# Altium PCB ECSE478 - DAQ Device.PcbDoc (part 3 of 4)
Units mil, origin at the board's own origin, x right, y up, seen from the top; angles counter-clockwise.
Board outline 8325 x 4500 mil, 4 copper layers (L1 (Sig), L2 (GND), L3 (GND), L4 (Sig)), stack 23.756 mil thick; 560 components, 359 nets, 1613 pads, 965 vias.
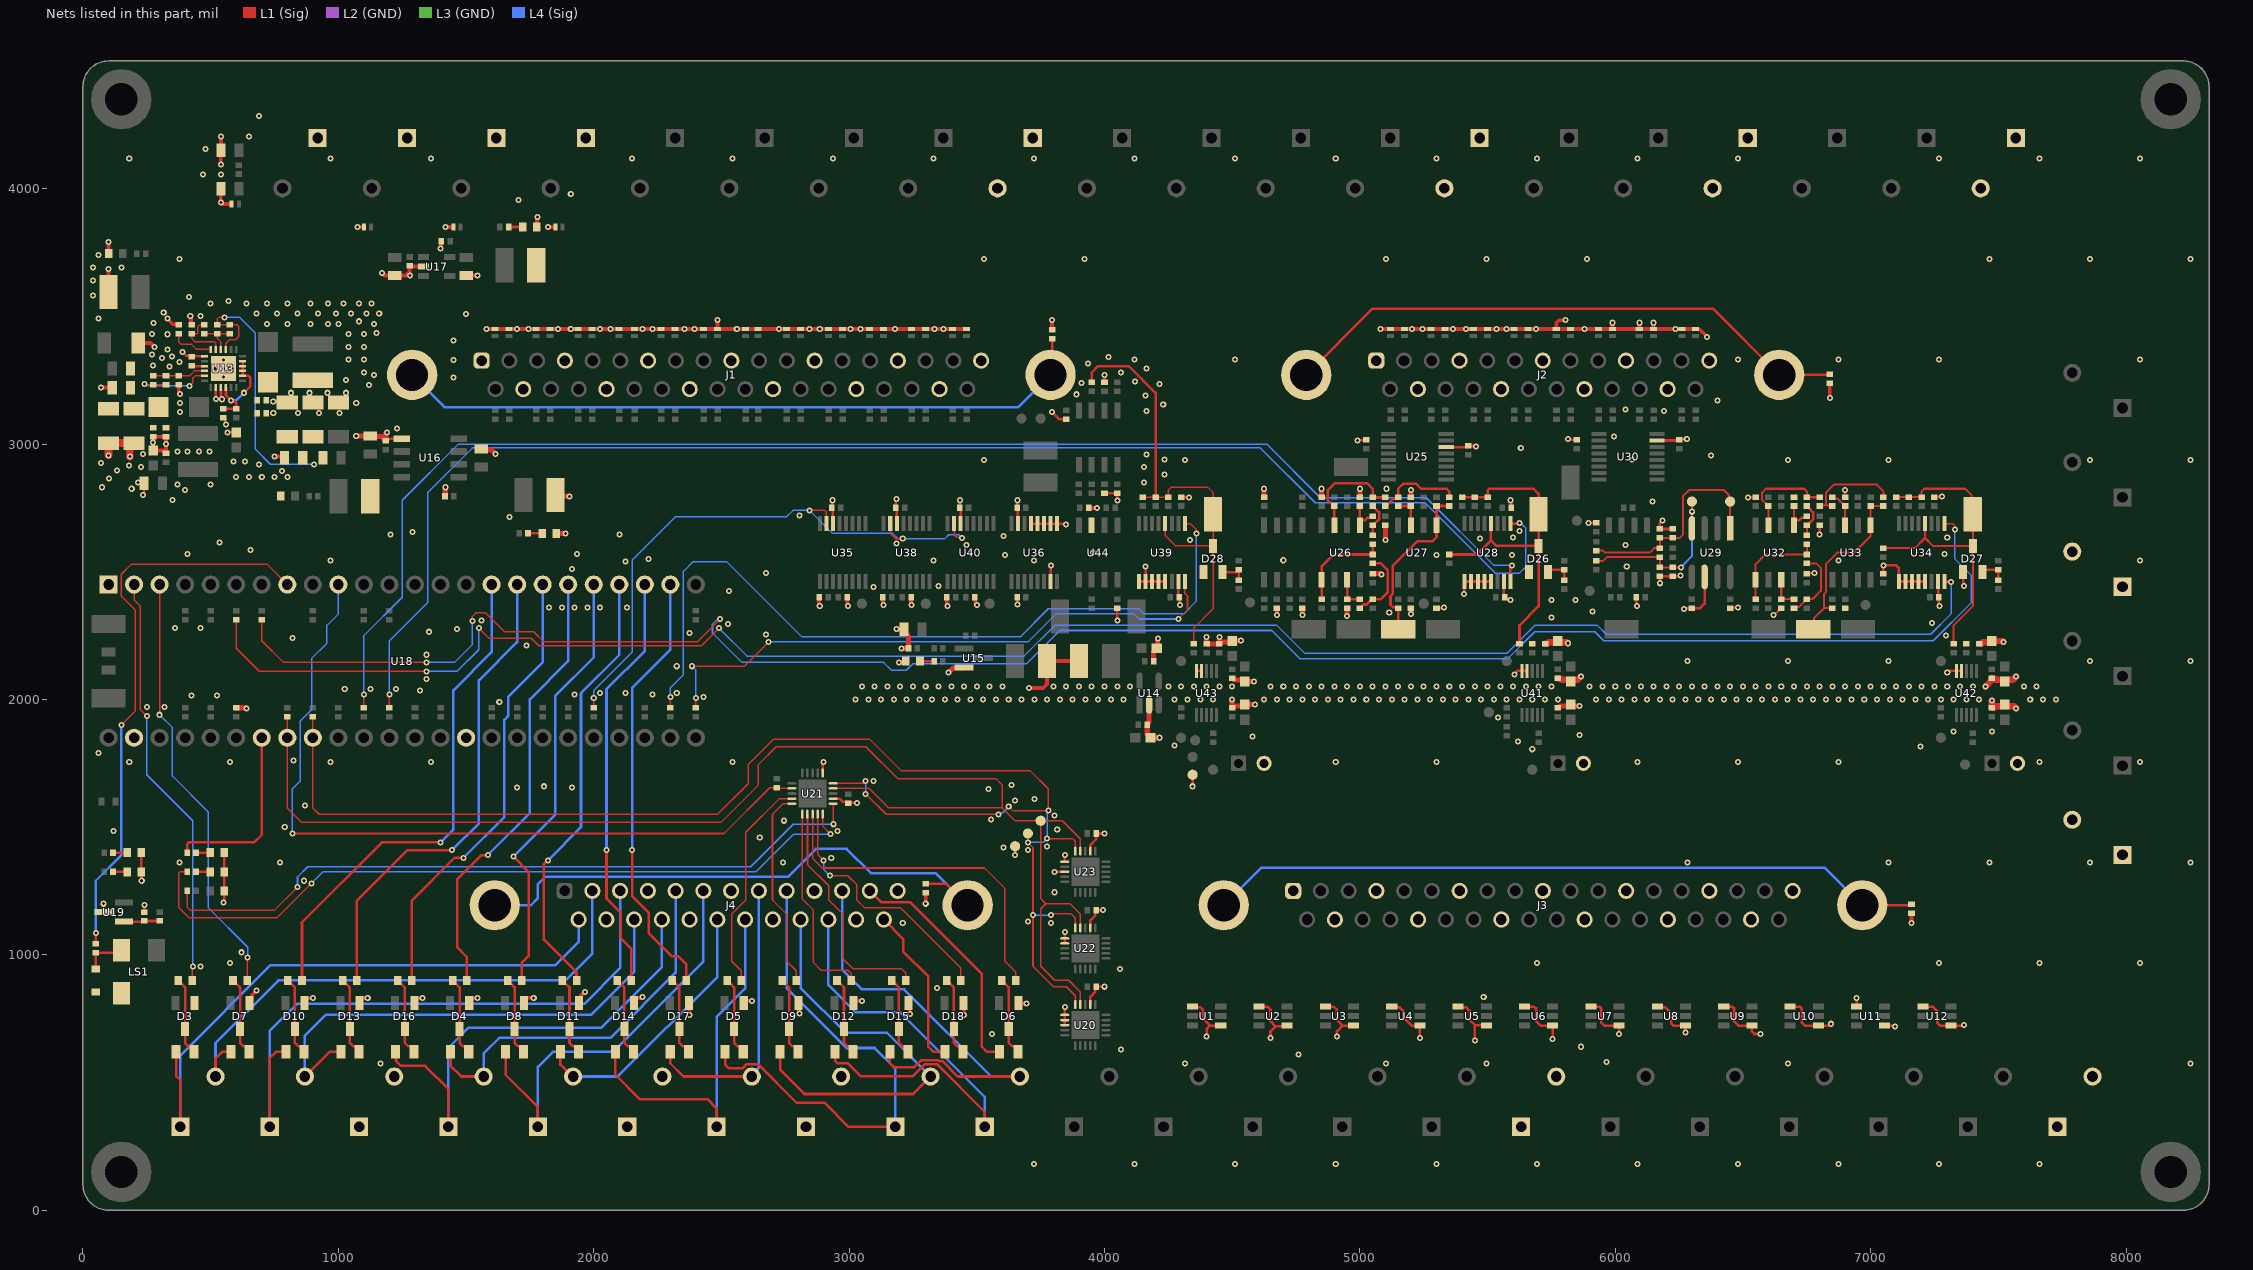
[diagram p5: the nets of this part, all layers, seen from the top]

## Via types
v1: diameter 23.62, hole 11.81, L1 (Sig) to L4 (Sig), tented both sides, 944 vias
v2: diameter 19.68, hole 7.87, L1 (Sig) to L4 (Sig), tented bottom, 16 vias
v3: diameter 23.62/27/27/27 (per signal layer), hole 11.81, L1 (Sig) to L4 (Sig), tented both sides, 3 vias
v4: diameter 23.62/23.62/23.62/27 (per signal layer), hole 11.81, L1 (Sig) to L4 (Sig), tented both sides, 2 vias

## Nets (pads, with @x,y where several pads share a name; then routed paths per layer and width w, separated by ;. In a path a pad name is that pad's centre, name@x,y a point inside that pad or via, vN(x,y) a via of type N, cw(c..) or ccw(c..) an arc to the next point about the centre after c; other vN are vias at no path point) (continued)
AIN_MUX_LS_SE_A2: R135.2 U35.15 U38.15 U40.15 | length 2363.8
  L1 (Sig) w6: R135.2@2000,1967.5 v1(2000,2005) ; v1(2845,2740) 2905,2740 2911.02,2733.98 U35.15@2911.02,2688.19 ; U38.15@3161.02,2688.19 3161.02,2649.66 3180.69,2630 v1(3210,2630) ; U40.15@3411.02,2688.19 3411.02,2643.98 3420,2635 3440,2635 v1(3442.5,2632.5) v1@3445,2630
  L4 (Sig) w6: v1(2000,2005) 2000,2035 2150,2185 2150,2545 2320,2715 2755,2715 2780,2740 v1(2845,2740) 2935,2650 3170,2650 3190,2630 v1(3210,2630) 3375,2630 3390,2645 3430,2645 v1(3442.5,2632.5)
BOOST_VIN: C12.2 R6.2 U13.4 U13.8 U13.9 U13.10 U13.11 | length 378.6
  L1 (Sig) w10: C12.2@550,3138.37 R6.2@600,3138.37 600,3160.87 590,3170.87 v1(580,3170.87) 560,3190.87 560,3209.16 559.92,3209.24 559.92,3220.98 U13.4@559.84,3221.06 ; U13.11@624.8,3324.8 U13.10@624.8,3305.51 U13.9@624.8,3286.22 U13.8@624.8,3266.93 648.94,3266.93 655,3260.87 655,3225.87 v1(630,3200.87)
  L4 (Sig) w10: v1(580,3170.87) 600,3170.87 v1(630,3200.87)
BOOST_VNEG: C13.1 C18.2 C19.2 C20.2 C21.2 D2.2 R7.1 R8.2 R9.2 U13.15 | length 1121.9
  L1 (Sig) w6: v1(555,3495.87) 530.87,3495.87 525,3490 C13.1@525,3467.5 R7.1@575,3467.5 602.5,3467.5 610,3460 610,3421.17 597.72,3408.89 573.89,3408.89 559.84,3394.84 U13.15@559.84,3370.67
  L4 (Sig) w6: v1(555,3495.87) 574,3495.87 574.07,3495.93 613.37,3495.93 675,3434.3 675,2979.3 733.44,2920.87 v1(905,2920.87)
BOOST_VPOS: C1.2 C2.2 C3.2 C4.2 C6.1 D1.1 R1.2 R2.2 R3.1 U13.23 | length 351.2
  L1 (Sig) w6: v1(240,3235) 242.5,3232.5 C6.1@275,3232.5 R3.1@325,3232.5 ; v1(417.61,3227.61) 429.74,3239.74 429.74,3257.89 438.77,3266.93 U13.23@475.2,3266.93
  L4 (Sig) w6: v1(240,3235) 244.77,3235 252.16,3227.61 v1(417.61,3227.61)
BOOST_VREF: C10.1 R5.1 U13.17 | length 223.9
  L1 (Sig) w6: R5.1@475,3467.5 474.22,3466.72 456.72,3466.72 450,3460 450,3436.01 446.49,3432.5 C10.1@425,3432.5 425,3415 440,3400 515,3400 520.47,3394.53 U13.17@520.47,3370.67
Buzzer: R124.1 U18.8 | length 2234.2
  L1 (Sig) w6: v1(150,1900) 205,1955 205,2350 150,2405 150,2490 190,2530 720,2530 U18.8@800,2450
  L1 (Sig) w10: R124.1@50,1042.5 v1(50,1085)
  L4 (Sig) w10: v1(50,1085) 50,1290 150,1390 v1(150,1900)
DEBUG_LED1: R59.2 U18.42 | length 720.5
  L1 (Sig) w10: R59.2@407.5,1400 407.5,1432.5 415,1440 670,1440 700,1470 U18.42@700,1850
DEBUG_LED2: R60.2 U21.15 | length 2966.2
  L1 (Sig) w6: R60.2@407.5,1325 380,1325 375,1320 375,1185 415,1145 760,1145 v1(895,1280) ; U21.15@2896.02,1550.94 2896.02,1503.98 v1(2927.69,1472.31)
  L4 (Sig) w6: v1(895,1280) 940,1325 2635,1325 2782.31,1472.31 v1(2927.69,1472.31)
DEBUG_LED3: R145.2 U21.16 | length 2845
  L1 (Sig) w6: R145.2@407.5,1250 407.5,1187.5 420,1175 750,1175 v1(840,1265) ; U21.16@2937.36,1592.28 2937.36,1512.64 v1(2938.68,1511.32) v1@2940,1510
  L4 (Sig) w6: v1(840,1265) 840,1305 880,1345 2614.44,1345 2780.76,1511.32 v1(2938.68,1511.32)
DIO_1: J4.14 P39.1 R22.1 | length 2411
  L1 (Sig) w10: R22.1@364.57,620 364.57,525.43 381.1,508.9 P39.1@381.1,326.57
  L4 (Sig) w10: P39.1@381.1,326.57 381.1,606.1 735,960 1850,960 1940.51,1050.51 J4.14@1940.51,1138.19
DIO_1_PROT: R26.1 U18.2 | length 1646.3
  L1 (Sig) w6: U18.2@200,2450 200,2390 225,2365 225,1960 v1(250,1935) ; R26.1@427.56,900 427.56,952.56 v1(430,955)
  L4 (Sig) w6: v1(250,1935) 250,1705 430,1525 v1(430,955)
DIO_2: J4.2 P39.2 R30.1 | length 2138.9
  L1 (Sig) w10: P39.2@518.9,523.43 518.9,593.9 545,620 R30.1@579.57,620
  L4 (Sig) w10: P39.2@518.9,523.43 518.9,653.9 765,900 1890,900 1994.84,1004.84 J4.2@1994.84,1250
DIO_2_PROT: R33.1 U18.3 | length 1693.9
  L1 (Sig) w6: v1(300,1940) U18.3@300,2450 ; R33.1@642.56,900 642.56,987.56 v1(645,990)
  L4 (Sig) w6: v1(300,1940) 350,1890 350,1700 490,1560 490,1185 645,1030 v1(645,990)
DIO_3: J4.3 P41.1 R36.1 | length 2493.8
  L1 (Sig) w10: P41.1@731.1,326.57 731.1,596.1 755,620 R36.1@794.57,620
  L4 (Sig) w10: P41.1@731.1,326.57 731.1,701.1 838.19,808.19 1963.19,808.19 2103.5,948.5 J4.3@2103.5,1250
DIO_3_PROT: R39.1 U18.16 | length 1992.3
  L1 (Sig) w10: R39.1@857.56,900 857.56,1127.56 1170,1440 v1(1400,1440)
  L4 (Sig) w10: v1(1400,1440) 1450,1490 1450,2035 1600,2185 U18.16@1600,2450
DIO_4: J4.16 P41.2 R42.1 | length 1938.5
  L1 (Sig) w10: P41.2@868.9,523.43 965.47,620 R42.1@1009.57,620
  L4 (Sig) w10: P41.2@868.9,523.43 868.9,683.9 950,765 1990,765 2157.83,932.83 J4.16@2157.83,1138.19
DIO_4_PROT: R45.1 U18.17 | length 1912.4
  L1 (Sig) w10: R45.1@1072.56,900 1072.56,1212.56 1270,1410 v1(1445,1410)
  L4 (Sig) w10: v1(1445,1410) 1550,1515 1550,2075 1700,2225 U18.17@1700,2450
DIO_5: J4.17 P45.1 R48.1 | length 1896.9
  L1 (Sig) w10: R48.1@1224.57,620 1225.72,618.85 1225.72,584.28 1244.68,565.32 1339.68,565.32 1431.1,473.9 P45.1@1431.1,326.57
  L4 (Sig) w10: P45.1@1431.1,326.57 1431.1,636.1 1510,715 2030,715 2266.5,951.5 J4.17@2266.5,1138.19
DIO_5_PROT: R51.1 U18.18 | length 1782.8
  L1 (Sig) w10: R51.1@1287.56,900 1287.56,1212.56 1455,1380 v1(1490,1380)
  L4 (Sig) w10: v1(1490,1380) 1650,1540 1650,1920 1665,1935 1665,2010 1800,2145 U18.18@1800,2450
DIO_6: J4.5 P45.2 R23.1 | length 1494.1
  L1 (Sig) w10: R23.1@1439.57,620 1439.57,565.43 1481.57,523.43 P45.2@1568.9,523.43
  L4 (Sig) w10: P45.2@1568.9,523.43 1568.9,613.9 1630,675 2065,675 2320.83,930.83 J4.5@2320.83,1250
DIO_6_PROT: R27.1 U18.19 | length 1760.4
  L1 (Sig) w10: R27.1@1502.56,900 1502.56,992.44 1465,1030 1465,1295 1560,1390 v1(1585,1390)
  L4 (Sig) w10: v1(1585,1390) 1750,1555 1750,2000 1900,2150 U18.19@1900,2450
DIO_7: J4.6 P47.1 R31.1 | length 1675.5
  L1 (Sig) w10: R31.1@1654.57,620 1654.57,530.43 1781.1,403.9 P47.1@1781.1,326.57
  L4 (Sig) w10: P47.1@1781.1,326.57 1781.1,561.1 1840,620 2075,620 2429.49,974.49 J4.6@2429.49,1250
DIO_7_PROT: R34.1 U18.20 | length 1716.7
  L1 (Sig) w10: v1(1685,1385) 1745,1325 1745,995 1717.56,967.56 R34.1@1717.56,900
  L4 (Sig) w10: v1(1685,1385) 1850,1550 1850,2015 2000,2165 U18.20@2000,2450
DIO_8: J4.19 P47.2 R37.1 | length 1069.4
  L1 (Sig) w10: R37.1@1869.57,620 1869.57,570.43 1916.57,523.43 P47.2@1918.9,523.43
  L4 (Sig) w10: P47.2@1918.9,523.43 2093.43,523.43 2483.82,913.82 J4.19@2483.82,1138.19
DIO_8_PROT: R40.1 U18.21 | length 1725
  L1 (Sig) w10: v1(1820,1370) 1805,1355 1805,1060 1932.56,932.44 R40.1@1932.56,900
  L4 (Sig) w10: v1(1820,1370) 1950,1500 1950,2025 2100,2175 U18.21@2100,2450
DIO_9: J4.20 P40.1 R43.1 | length 1470.7
  L1 (Sig) w10: R43.1@2084.57,620 2084.57,530.43 2180,435 2445,435 2481.1,398.9 P40.1@2481.1,326.57
  L4 (Sig) w10: P40.1@2481.1,326.57 2481.1,756.1 2592.48,867.48 J4.20@2592.48,1138.19
DIO_9_PROT: R46.1 U18.22 | length 1652.5
  L1 (Sig) w10: v1(2050,1410) 2050,1220 2105,1165 2105,1065 2147.56,1022.44 R46.1@2147.56,900
  L4 (Sig) w10: v1(2050,1410) 2050,2040 2200,2190 U18.22@2200,2450
DIO_10: J4.8 P40.2 R49.1 | length 1123.6
  L1 (Sig) w10: R49.1@2299.57,620 2299.57,575.43 2351.57,523.43 P40.2@2618.9,523.43
  L4 (Sig) w10: P40.2@2618.9,523.43 2618.9,530.64 2646.81,558.55 J4.8@2646.81,1250
DIO_10_PROT: R52.1 U18.23 | length 1714.8
  L1 (Sig) w10: v1(2150,1410) 2150,1230 2215,1165 2215,1085 2305,995 2330,995 2362.56,962.44 R52.1@2362.56,900
  L4 (Sig) w10: v1(2150,1410) 2150,2045 2300,2195 U18.23@2300,2450
FBN: C13.2 R5.2 R7.2 U13.16 | length 168.1
  L1 (Sig) w6: R5.2@475,3432.5 C13.2@525,3432.5 ; U13.16@540.16,3370.67 540.16,3399.84 525,3415 C13.2@525,3432.5 ; R7.2@575,3432.5 C13.2@525,3432.5
FBP: C6.2 R3.2 R4.1 U13.22 | length 208
  L1 (Sig) w6: C6.2@275,3267.5 R3.2@325,3267.5 R4.1@375,3267.5 417.5,3267.5 436.22,3286.22 U13.22@475.2,3286.22
GND: C1.1 C2.1 C3.1 C4.1 C5.1 C7.1 C8.1 C9.1 C10.2 C11.1 C12.1 C14.1 C15.1 C16.1 C17.1 C18.1 C19.1 C20.1 C21.1 C22.1 C23.1 C24.1 C25.1 C26.1 C27.1 C28.1 C29.1 C30.1 C31.1 C32.1 C33.1 C34.1 C35.1 C36.1 C37.1 C38.1 C39.1 C43.1 C44.1 C45.1 C46.1 C47.1 C48.1 C49.1 C50.2 C51.2 C52.2 C53.1 C54.1 C55.1 C56.1 C57.1 C58.2 C60.1 C61.1 C62.1 C63.1 C64.2 C68.1 C69.1 C70.1 C71.1 C72.1 C73.2 C74.2 C75.1 C76.1 C77.1 C78.1 C79.1 C80.1 C81.1 C82.1 C83.1 C84.1 C85.1 C86.2 C87.1 C88.1 C89.1 C90.1 C91.1 C92.1 C93.1 C94.1 C95.1 C96.1 C97.1 C98.1 C99.1 C100.1 C101.1 C102.1 C103.1 C104.1 C105.1 C106.1 C107.1 C108.1 C109.1 C110.1 C111.1 C112.1 C113.1 C114.2 D3.1 D4.1 D5.1 D6.1 D7.1 D8.1 D9.1 D10.1 D11.1 D12.1 D13.1 D14.1 D15.1 D16.1 D17.1 D18.1 D19.2 D20.2 D21.2 D22.2 D23.1 D24.2 D25.2 D26.1 D27.1 D28.1 D29.1 D30.2 D31.2 D32.1 D33.1 D34.1 D35.1 D36.1 D37.1 D38.1 D39.1 D40.1 D41.1 D42.1 D43.1 D44.1 D45.1 D46.1 D47.1 D48.1 D49.1 D50.1 D51.1 D52.1 D53.1 D54.1 D55.1 D56.1 D57.1 D58.1 D59.1 D60.1 D61.1 D62.1 D63.1 D64.1 D65.1 D66.1 D67.1 D68.1 D69.1 D70.1 D71.1 D72.1 D73.1 D74.1 D75.1 D76.1 J1.1 J1.4 J1.7 J1.10 J1.13 J1.16 J1.19 J1.21 J1.24 J1.27 J1.30 J1.33 J1.36 J2.1 J2.4 J2.7 J2.10 J2.13 J2.15 J2.18 J2.21 J2.24 J3.1 J3.4 J3.7 J3.10 J3.13 J3.16 J3.19 J3.21 J3.24 J3.27 J3.30 J3.33 J3.36 J4.4 J4.7 J4.10 J4.13 J4.15 J4.18 J4.21 J4.24 L2.1 LS1.2 P3.1 P4.1 P7.1 P8.1 P13.1 P13.2 P14.1 P14.2 P19.1 P19.2 P20.1 P20.2 P25.1 P25.2 P26.1 P26.2 P37.1 P37.2 P38.1 P38.2 P43.1 P43.2 P44.1 P44.2 P48.1 P48.2 P49.2 P50.2 P51.2 R2.1 R4.2 R9.1 R79.1 R87.1 R88.1 R106.1 R114.1 R191.2 R192.2 R193.2 R194.2 R197.1 R201.1 R203.2 R204.2 R205.2 TP3.1 TP4.1 TP9.1 TP10.1 TP11.1 TP18.1 TP19.1 TP23.1 U1.1 U1.4 U2.1 U2.4 U3.1 U3.4 U4.1 U4.4 U5.1 U5.4 U6.1 U6.4 U7.1 U7.4 U8.1 U8.4 U9.1 U9.4 U10.1 U10.4 U11.1 U11.4 U12.1 U12.4 U13.2 U13.3 U13.19 U13.25 U14.2 U15.2 U16.5 U17.2 U18.1 U18.34 U18.47 U19.3 U20.1 U20.2 U20.3 U20.17 U21.1 U21.17 U22.1 U22.2 U22.17 U23.1 U23.3 U23.17 U25.14 U28.9 U28.10 U28.11 U28.12 U28.13 U28.15 U29.6 U30.15 U34.9 U34.10 U34.11 U34.12 U34.13 U34.15 U35.14 U36.7 U36.9 U36.10 U36.11 U36.12 U36.13 U36.15 U38.14 U39.9 U39.10 U39.11 U39.12 U39.13 U39.15 U40.14 U41.4 U41.5 U42.4 U42.5 U43.4 U43.5 U44.3 | length 15815.9
  L1 (Sig) w10: v1(80,1200) 81.26,1198.74 U19.3@81.26,1167.4 ; D20.2@227.56,1400 D22.2@227.56,1325 228.78,1323.78 228.78,1291.22 v1(230,1290) ; v1(235,2800.87) 239.57,2805.43 C7.1@239.57,2845.87 ; C34.1@240,1167.5 v1(240,1195) ; v1(390,3360.87) 404.27,3346.6 420.9,3346.6 C23.1@425,3342.5 ; C23.1@426.59,3344.09 U13.19@475.2,3344.09 ; v1(520,3175.87) 520.47,3176.34 U13.2@520.47,3221.06 ; U13.3@540.24,3212.28 540.47,3212.05 540.47,3188.07 546.81,3181.74 546.81,3177.68 v1(544.58,3175.44) ; v1(550,1205) 552.56,1207.56 D30.2@552.56,1250 D25.2@552.56,1325 D24.2@552.56,1400 ; C12.1@550,3103.37 551.57,3103.37 557.39,3097.54 557.39,3078.47 v1(560,3075.87) ; v1(565,3045.87) C11.1@600,3045.87 ; C28.1@1185,3013.37 1185.55,3013.92 1190.83,3019.19 1196.98,3019.19 1198.65,3020.87 U16.5@1248.78,3020.87 ; U21.1@2896.02,1712.36 2896.02,1751.02 v1(2900,1755) ; v1(2935,2780) 2933.75,2778.75 2933.75,2751.25 C78.1@2932.5,2750 2936.61,2745.89 U35.14@2936.61,2688.19 ; U21.17@2937.36,1611.97 2963.03,1611.97 2976.33,1598.67 2995.69,1598.67 2999.36,1595 v1(3030,1595) ; v1(3185,2785) 3182.5,2782.5 C83.1@3182.5,2750 3186.61,2745.89 U38.14@3186.61,2688.19 ; v1(3435,2780) 3433.75,2778.75 3433.75,2751.25 C89.1@3432.5,2750 3436.61,2745.89 U40.14@3436.61,2688.19 ; v1(3650,1390) TP9.1@3650,1425 ; C82.1@3657.5,2400 3658.24,2399.26 3658.24,2371.76 v1(3658.98,2371.02) ; v1(3660,2780) 3657.5,2777.5 C80.1@3657.5,2750 3661.02,2746.48 U36.15@3661.02,2688.19 ; U36.13@3712.2,2688.19 U36.12@3737.8,2688.19 U36.11@3763.39,2688.19 U36.10@3788.98,2688.19 U36.9@3814.57,2688.19 3843.12,2688.19 3846.31,2685 v1(3850,2685) ; U36.7@3788.98,2461.81 3788.98,2523.98 v1(3790,2525) ; v1(3795,3125) 3822.5,3097.5 C85.1@3850,3097.5 ; v1(3805,1325) U23.3@3844.29,1325 ; U20.3@3844.29,725 U20.2@3844.29,744.69 U20.1@3844.29,764.37 3844.29,794.29 v1(3845,795) ; U22.2@3844.29,1044.69 U22.1@3844.29,1064.37 3844.29,1089.29 v1(3845,1090) ; U23.1@3844.29,1364.37 3844.29,1389.29 v1(3845,1390) ; C114.2@3937.5,2755 C114.2@3942.5,2750 ; U20.17@3944.69,805.71 3944.69,835 3963.67,853.99 3963.67,871.17 C35.1@3967.5,875 v1(4000,875) ; U22.17@3944.69,1105.71 3944.69,1134.68 3963.83,1153.83 3963.83,1171.33 C37.1@3967.5,1175 v1(3995,1175) ; U23.17@3944.69,1405.71 3944.69,1429.69 3967.5,1452.5 C38.1@3967.5,1475 v1(4000,1475) ; R201.1@4000,2807.5 C86.2@4050,2807.5 v1(4050,2779.61) ; v1(4050,2310) C113.1@4050,2357.5 ; U39.9@4135.43,2461.81 U39.10@4161.02,2461.81 ; v1(4160,2520) 4161.02,2518.98 U39.10@4161.02,2461.81 ; U39.13@4237.8,2461.81 U39.12@4212.2,2461.81 U39.11@4186.61,2461.81 U39.10@4161.02,2461.81 ; U39.15@4288.98,2461.81 4288.98,2403.52 C84.1@4292.5,2400 4293.75,2398.75 4293.75,2371.25 v1(4295,2370) ; C88.1@4300,2792.5 4327.5,2792.5 v1(4330,2790) ; U1.1@4344.89,797.4 4347.29,795 4375,795 4385,785 4385,750 4412.4,722.6 ; v1(4345,1660) TP23.1@4345,1705 ; U43.5@4360.63,2111.61 U43.4@4380.31,2111.61 ; v1(4400,680) 4400,710.2 4412.4,722.6 ; U1.4@4455.12,722.6 4412.4,722.6 ; U2.1@4604.89,797.4 4637.6,797.4 4650,785 4650,740 4670,720 ; v1(4650,675) 4650,700 4670,720 ; U2.4@4715.12,722.6 4712.52,720 4670,720 ; U3.1@4864.89,797.4 4897.6,797.4 4910,785 4910,745 4932.4,722.6 ; v1(4910,680) 4910,700.2 4932.4,722.6 ; U3.4@4975.12,722.6 4932.4,722.6 ; v1(4991.51,3013.49) 4993.51,3015.5 5023,3015.5 C43.1@5025,3017.5 ; U4.1@5124.89,797.4 5127.97,794.32 5155.68,794.32 5170,780 5170,755 5202.4,722.6 U4.4@5235.12,722.6 5235.12,675.12 v1(5235,675) ; C49.1@5300,2357.5 5327.5,2357.5 v1(5330,2360) ; U25.14@5338.19,2988.39 5420.89,2988.39 C39.1@5425,2992.5 5452.5,2992.5 v1(5455,2990) ; U5.1@5384.89,797.4 5387.29,795 5415,795 5430,780 5430,745 5450,725 ; v1(5408.39,2413.39) 5409.41,2414.41 5409.41,2460.79 U28.9@5410.43,2461.81 U28.10@5436.02,2461.81 U28.11@5461.61,2461.81 U28.12@5487.2,2461.81 U28.13@5512.8,2461.81 ; v1(5450,665) 5450,725 ; U5.4@5495.12,722.6 5492.72,725 5450,725 ; U28.15@5563.98,2461.81 5563.98,2403.52 C53.1@5567.5,2400 5567.5,2398.03 5573.33,2392.2 5582.33,2392.2 5585.54,2389 v1(5589.23,2389) ; v1(5590,2780) 5592.5,2777.5 C55.1@5592.5,2750 ; v1(5605,2098.19) 5605,2099.46 5617.15,2111.61 U41.5@5635.63,2111.61 U41.4@5655.31,2111.61 ; U6.1@5644.89,797.4 5682.6,797.4 5690,790 5690,740 5707.4,722.6 U6.4@5755.12,722.6 5755.12,670.12 v1(5755,670) ; v1(5815,3020) 5817.5,3017.5 C61.1@5850,3017.5 ; v1(5895,2690) 5896.25,2691.25 5923.75,2691.25 C63.1@5925,2692.5 ; U7.1@5904.89,797.4 5937.6,797.4 5945,790 5945,735 5957.4,722.6 U7.4@6015.12,722.6 v1(6015.12,690.12) v1@6015,690 ; C64.2@6082.5,2400 6082.5,2367.5 v1(6085,2365) ; U30.15@6163.19,3013.98 6246.48,3013.98 C57.1@6250,3017.5 6251.25,3018.75 6278.75,3018.75 v1(6280,3020) ; U8.1@6164.89,797.4 6167.29,795 6195,795 6220,770 6220,730 6227.4,722.6 U8.4@6275.12,722.6 v1(6275.12,695.12) v1@6275,695 ; v1(6175,2455) C62.1@6175,2482.5 R87.1@6225,2482.5 6252.5,2482.5 v1(6255,2485) ; v1(6185,2700) 6175,2690 C58.2@6175,2667.5 R88.1@6225,2667.5 ; v1(6270,2355) 6271.25,2356.25 6298.75,2356.25 C60.1@6300,2357.5 6332.5,2357.5 6350,2375 U29.6@6350,2479.98 ; U9.1@6424.89,797.4 6457.6,797.4 6465,790 6465,740 6482.4,722.6 U9.4@6535.12,722.6 6535.12,699.88 6545,690 v1(6567.86,690) ; C56.1@6450,2357.5 6451.25,2358.75 6478.75,2358.75 v1(6480,2360) ; v1(6520,2790) 6522.5,2792.5 C71.1@6550,2792.5 ; v1(6620,2330) 6622.5,2330 6642.2,2349.7 6642.2,2351.67 6648.03,2357.5 C68.1@6650,2357.5 ; U10.1@6684.89,797.4 6722.6,797.4 6730,790 6730,735 6742.4,722.6 U10.4@6795.12,722.6 6837.6,722.6 v1(6845,730) ; C73.2@6750,2492.5 6751.25,2493.75 6778.75,2493.75 v1(6780,2495) ; v1(6800,2645) C74.2@6800,2682.5 ; C70.1@6900,2792.5 v1(6900,2820) ; U11.1@6944.89,797.4 6944.89,829.89 v1(6945,830) ; C72.1@7050,2492.5 v1(7050,2525) 7100,2525 7110.43,2514.57 U34.9@7110.43,2461.81 U34.10@7136.02,2461.81 U34.11@7161.61,2461.81 U34.12@7187.2,2461.81 U34.13@7212.8,2461.81 ; U11.4@7055.12,722.6 7092.4,722.6 v1(7095,720) ; U12.1@7204.89,797.4 7242.6,797.4 7260,780 7260,735 7272.4,722.6 U12.4@7315.12,722.6 7362.6,722.6 v1(7365,725) ; C77.1@7250,2792.5 7251.25,2793.75 7278.75,2793.75 v1(7280,2795) ; U34.15@7263.98,2461.81 7263.98,2403.52 C75.1@7267.5,2400 7267.5,2367.5 v1(7270,2365) ; v1(7300,2105) 7306.61,2111.61 U42.5@7335.63,2111.61 U42.4@7355.32,2111.61 ; D27.1@7362.6,2498.82 7362.6,2447.4 v1(7365,2445)
  L1 (Sig) w12: R114.1@4000,3242.5 v1(4000,3270)
  L1 (Sig) w15: v1(70,3220.87) R2.1@114.57,3220.87 ; TP3.1@100,3595.87 v1(100,3685.87) ; D31.2@100,3745.87 v1(100,3790.87) ; C5.1@216.93,3395.87 265,3395.87 v1(280.86,3380.01) ; v1(330.01,3490.86) 351.46,3469.4 373.1,3469.4 C24.1@375,3467.5 ; R4.2@375,3232.5 375,3203.2 380,3198.2 v1(380,3195.87) ; v1(420,3500.87) 420,3498.53 423.41,3495.12 423.41,3469.09 C10.2@425,3467.5 ; C23.1@425,3342.5 C23.1@426.59,3344.09 ; C111.1@539.57,4000 539.57,3945.43 v1(540,3945) 542.33,3945 547.33,3940 D35.1@582.44,3940 ; v1(540,4095) 539.57,4095.43 C112.1@539.57,4150 540,4150.43 v1(540,4205) ; D7.1@652.4,811.18 660.65,819.43 660.65,840.65 v1(680,860) ; v1(750,2950.87) 784.57,2950.87 R9.1@789.57,2945.87 ; D10.1@867.4,811.18 867.4,821.75 875.65,830 v1(900,830) ; v1(1075,3850) D36.1@1100,3850 ; D13.1@1082.4,811.18 1082.4,821.75 1090.65,830 v1(1115,830) ; v1(1170,3670) 1179.71,3660.29 1219.28,3660.29 C30.1@1220,3659.57 1264.57,3659.57 1278.53,3673.53 ; v1(1280,3660) 1278.53,3661.47 1278.53,3673.53 ; C31.1@1280,3697.5 C31.1@1282.5,3695 ; D16.1@1297.4,811.18 1297.4,821.75 1305.65,830 v1(1330,830) ; U17.2@1333.82,3695 C31.1@1282.5,3695 ; v1(1400,3765) 1401.25,3766.25 1401.25,3793.75 C32.1@1402.5,3795 ; v1(1420,3850) D34.1@1450,3850 ; C107.1@1500,3659.57 1544.57,3659.57 v1(1544.78,3659.78) v1@1545,3660 ; D4.1@1512.4,811.18 1512.4,821.75 1520.65,830 v1(1545,830) ; v1(1580,3450) D60.1@1614.02,3450 D56.1@1669.02,3450 v1(1700,3450) v1(1745,3450) D59.1@1774.02,3450 D55.1@1829.02,3450 v1(1860,3450) v1(1910,3450) D58.1@1939.02,3450 D54.1@1994.02,3450 v1(2025,3450) v1(2065,3450) D57.1@2099.02,3450 D53.1@2159.02,3450 v1(2190,3450) v1(2230,3450) D68.1@2264.02,3450 D64.1@2319.02,3450 v1(2355,3450) v1(2395,3450) D67.1@2429.02,3450 D63.1@2484.02,3450 ; D8.1@1727.4,811.18 1727.4,822.99 1735.65,831.24 1736.24,831.24 1737.04,832.04 1760.63,832.04 1762.67,830 v1(1765,830) ; D19.2@1777.56,3850 1777.56,3885.23 1780,3887.67 v1(1780,3890) ; v1(1820,3850) D33.1@1850,3850 ; D11.1@1942.4,811.18 1950.65,819.43 1950.65,840.65 v1(1965,855) ; D14.1@2157.4,811.18 2157.4,822.99 2165.65,831.24 2183.91,831.24 2187.67,835 v1(2190,835) ; D17.1@2372.4,811.18 2373.81,809.77 2373.81,766.19 v1(2375,765) ; v1(2485,3485) 2484.02,3484.02 D63.1@2484.02,3450 ; D5.1@2587.4,811.18 2587.4,811.75 2595.65,820 v1(2620,820) ; D9.1@2802.4,811.18 2803.7,809.88 2803.7,771.3 v1(2805,770) ; R203.2@2882.5,2400 2882.5,2367.5 v1(2885,2365) ; C81.1@2992.5,2400 2992.5,2367.5 v1(2995,2365) ; D12.1@3017.4,811.18 3017.4,811.75 3025.65,820 v1(3050,820) ; R204.2@3132.5,2400 3132.5,2372.5 v1(3135,2370) ; D15.1@3232.4,811.18 3236.27,807.31 3236.27,769.57 v1(3237.92,767.92) ; C87.1@3242.5,2400 3242.5,2372.5 v1(3245,2370) ; v1(3300,1200) R194.2@3300,1242.5 ; R205.2@3382.5,2400 3382.5,2367.5 v1(3385,2365) ; D18.1@3447.4,811.18 3448.81,809.77 3448.81,766.19 v1(3450,765) ; D69.1@3459.02,3450 D73.1@3404.02,3450 v1(3370,3450) v1(3335,3450) D70.1@3299.02,3450 D74.1@3244.02,3450 v1(3180,3450) D71.1@3135,3450 D75.1@3079.02,3450 v1(3045,3450) v1(3005,3450) D72.1@2974.02,3450 D76.1@2919.02,3450 v1(2885,3450) v1(2845,3450) D61.1@2809.02,3450 D65.1@2754.02,3450 v1(2725,3450) D62.1@2644.02,3450 D66.1@2594.02,3450 v1(2560,3450) D63.1@2484.02,3450 ; C90.1@3492.5,2400 3493.97,2398.53 3493.97,2376.03 v1(3500,2370) ; D6.1@3662.4,811.18 3663.58,810 v1(3695,810) ; v1(3705,2045) 3760,2045 3775,2060 TP18.1@3775,2150 TP19.1@3900,2150 ; R191.2@3795,3447.5 v1(3795,3485) ; C114.2@3942.5,2750 v1(3970,2750) ; v1(4675,2330) R197.1@4675,2357.5 ; v1(5080,3450) D44.1@5119.02,3450 D40.1@5174.02,3450 v1(5205,3450) v1(5245,3450) D43.1@5279.02,3450 D39.1@5334.02,3450 v1(5365,3450) v1(5415,3450) D42.1@5444.02,3450 D38.1@5499.02,3450 v1(5535,3450) v1(5575,3450) D41.1@5604.02,3450 D37.1@5659.02,3450 v1(5690,3450) D50.1@5769.02,3450 ; v1(5805,3485) 5780,3485 5769.02,3474.02 D50.1@5769.02,3450 ; v1(5990,3475) 5989.02,3474.02 D48.1@5989.02,3450 ; v1(6095,3475) 6095,3450.37 D49.1@6094.63,3450 ; v1(6150,3475) 6149.51,3474.51 6149.51,3450.37 D51.1@6149.13,3450 ; v1(6360,3420) 6330.37,3449.63 6314.39,3449.63 D47.1@6314.02,3450 D45.1@6260.98,3450 v1(6235,3450) D51.1@6149.13,3450 ; v1(6840,3180) R192.2@6840,3237.5 ; v1(7160,1125) R193.2@7160,1162.5 ; 1278.53,3673.53 1278.53,3694.17 1279.36,3695 C31.1@1282.5,3695 ; D50.1@5769.02,3450 D52.1@5824.02,3450 v1(5879.02,3450) D46.1@5934.02,3450 D48.1@5989.02,3450 ; D48.1@5989.02,3450 D49.1@6094.02,3450 D49.1@6094.63,3450 ; D49.1@6094.63,3450 D51.1@6149.02,3450 D51.1@6149.13,3450 ; C8.1@275,2975.39 v1(275,3005.87) C1.1@275,3028.37 C2.1@325,3028.37 v1(325,3000.87) C9.1@325,2963.37 323.03,2963.37 311,2975.39 C8.1@275,2975.39
  L1 (Sig) w20: C33.1@600,1967.5 637.5,1967.5 v1(640,1965) ; v1(1070,3030.87) 1124.57,3030.87 C27.1@1125,3031.3 1127.33,3028.97 1169.39,3028.97 1182.2,3016.16 1182.2,3014.19 1183.03,3013.37 C28.1@1185,3013.37 ; C28.1@1185.55,3013.92 1185.55,3040.44 1190,3044.89 v1(1190,3045.87) ; C29.1@1418.33,2796.69 1418.33,2828.21 1420,2829.89 v1(1420,2830.87) ; C106.1@1560,2981.3 1565.24,2976.05 1601.47,2976.05 1614.31,2963.22 1614.31,2961.56 v1(1615,2960.87) ; TP11.1@1850,2800 1853.72,2796.28 1903.72,2796.28 v1(1905,2795) ; D23.1@1852.56,2650 v1(1890,2650) ; v1(3185,2275) C25.1@3214.57,2275 3214.57,2266.14 3232.5,2248.21 C26.1@3232.5,2200 v1(3205,2200) ; v1(3195,2145) 3217.68,2145 3222.44,2149.76 D21.2@3222.44,2150 ; v1(3390,2105) 3407.6,2122.6 3448.19,2122.6 U15.2@3450,2124.41 ; U14.2@4175,1979.71 4175,1909.47 4167.5,1901.97 C15.1@4167.5,1900 4167.5,1862.03 4169.84,1859.69 4169.84,1858.7 4178.54,1850 C14.1@4179.53,1850 v1(4215,1850) ; C16.1@4192.5,2150 4192.5,2187.97 4194.84,2190.31 4194.84,2191.3 4203.54,2200 C17.1@4204.53,2200 4204.53,2204.96 4208.27,2208.7 4208.27,2238.27 v1(4208.96,2238.96) ; v1(4400,2245) C79.1@4400,2217.5 C110.1@4450,2217.5 ; v1(4450,2245) C110.1@4450,2217.5 ; v1(4500,2000) C104.1@4500,1967.5 4501.97,1967.5 4508.67,1974.2 4544.68,1974.2 C105.1@4550,1979.53 4589.53,1979.53 v1(4590,1980) ; C103.1@4500,2082.5 4501.97,2082.5 4508.67,2075.8 4544.68,2075.8 C102.1@4550,2070.47 4550.47,2070 v1(4585,2070) ; v1(4535,2230) 4500.47,2230 C109.1@4500,2229.53 4494.68,2224.2 4458.67,2224.2 4451.97,2217.5 C110.1@4450,2217.5 ; C50.2@4625,2792.5 v1(4625,2825) ; v1(4775,2330) C47.1@4775,2357.5 ; C48.1@4850,2792.5 v1(4850,2825) ; v1(4950,2327.24) C44.1@4950,2357.5 ; C45.1@5000,2792.5 v1(5000,2825) ; C51.2@5050,2492.5 5081.52,2492.5 5084.02,2490 v1(5085,2490) ; v1(5100,2624.69) C52.2@5100,2682.5 ; v1(5200,2335) R79.1@5200,2357.5 ; C46.1@5200,2792.5 v1(5200,2820) ; C94.1@5775,1967.5 5776.97,1967.5 5783.67,1974.2 5819.68,1974.2 C95.1@5825,1979.53 5829.53,1975 v1(5860,1975)